# KiCad board Nodes.kicad_pcb
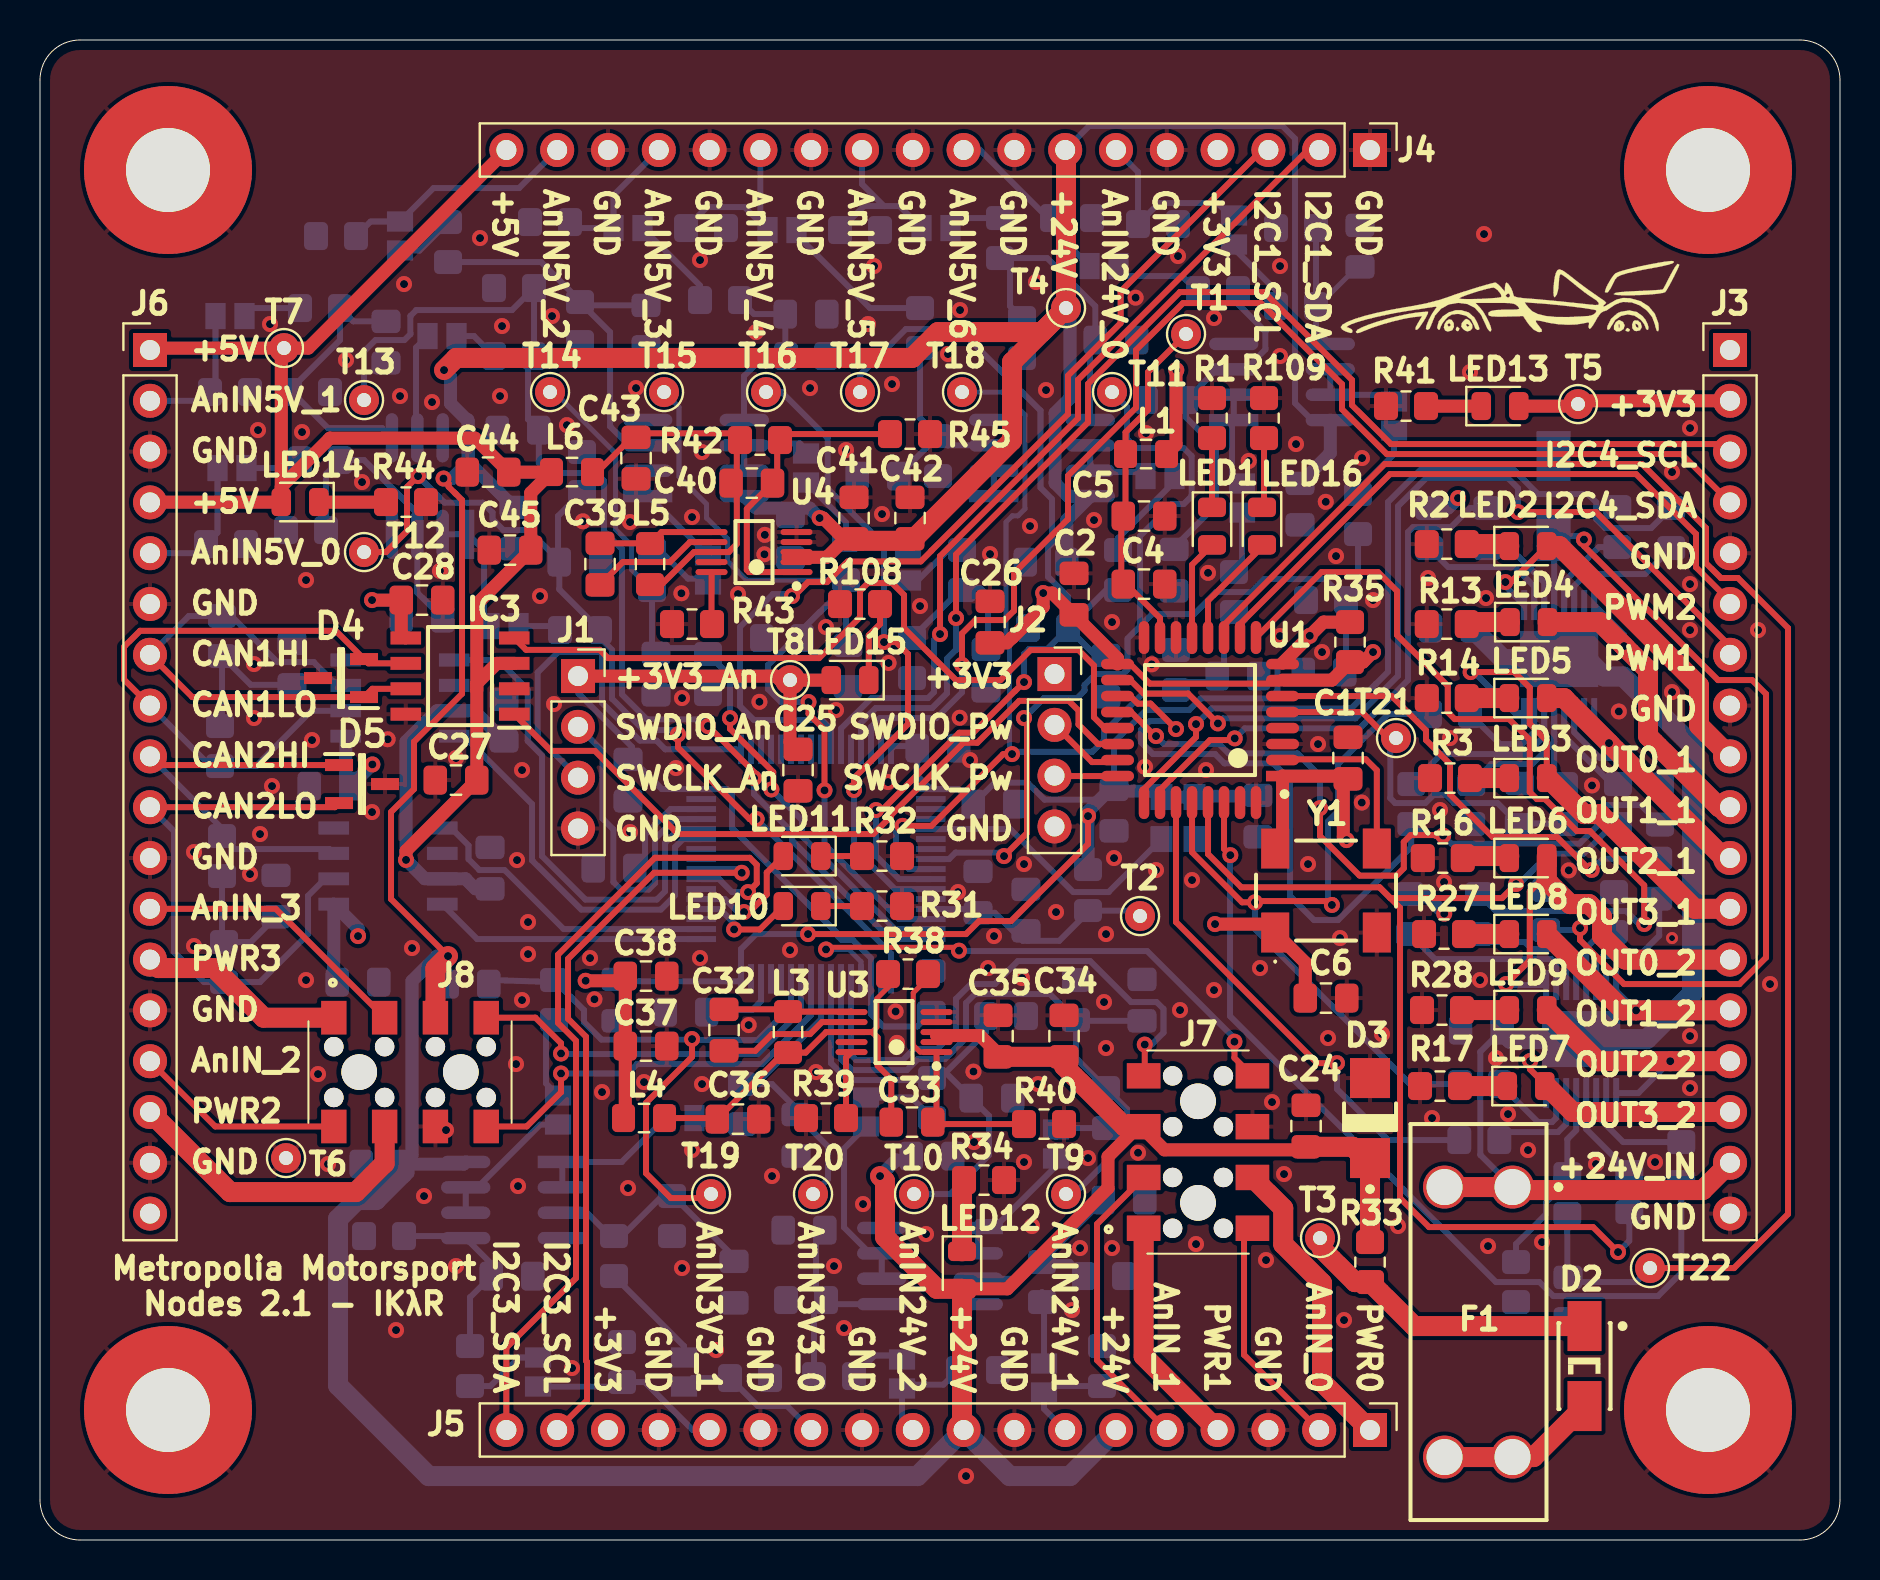
[diagram p0: board, top side]
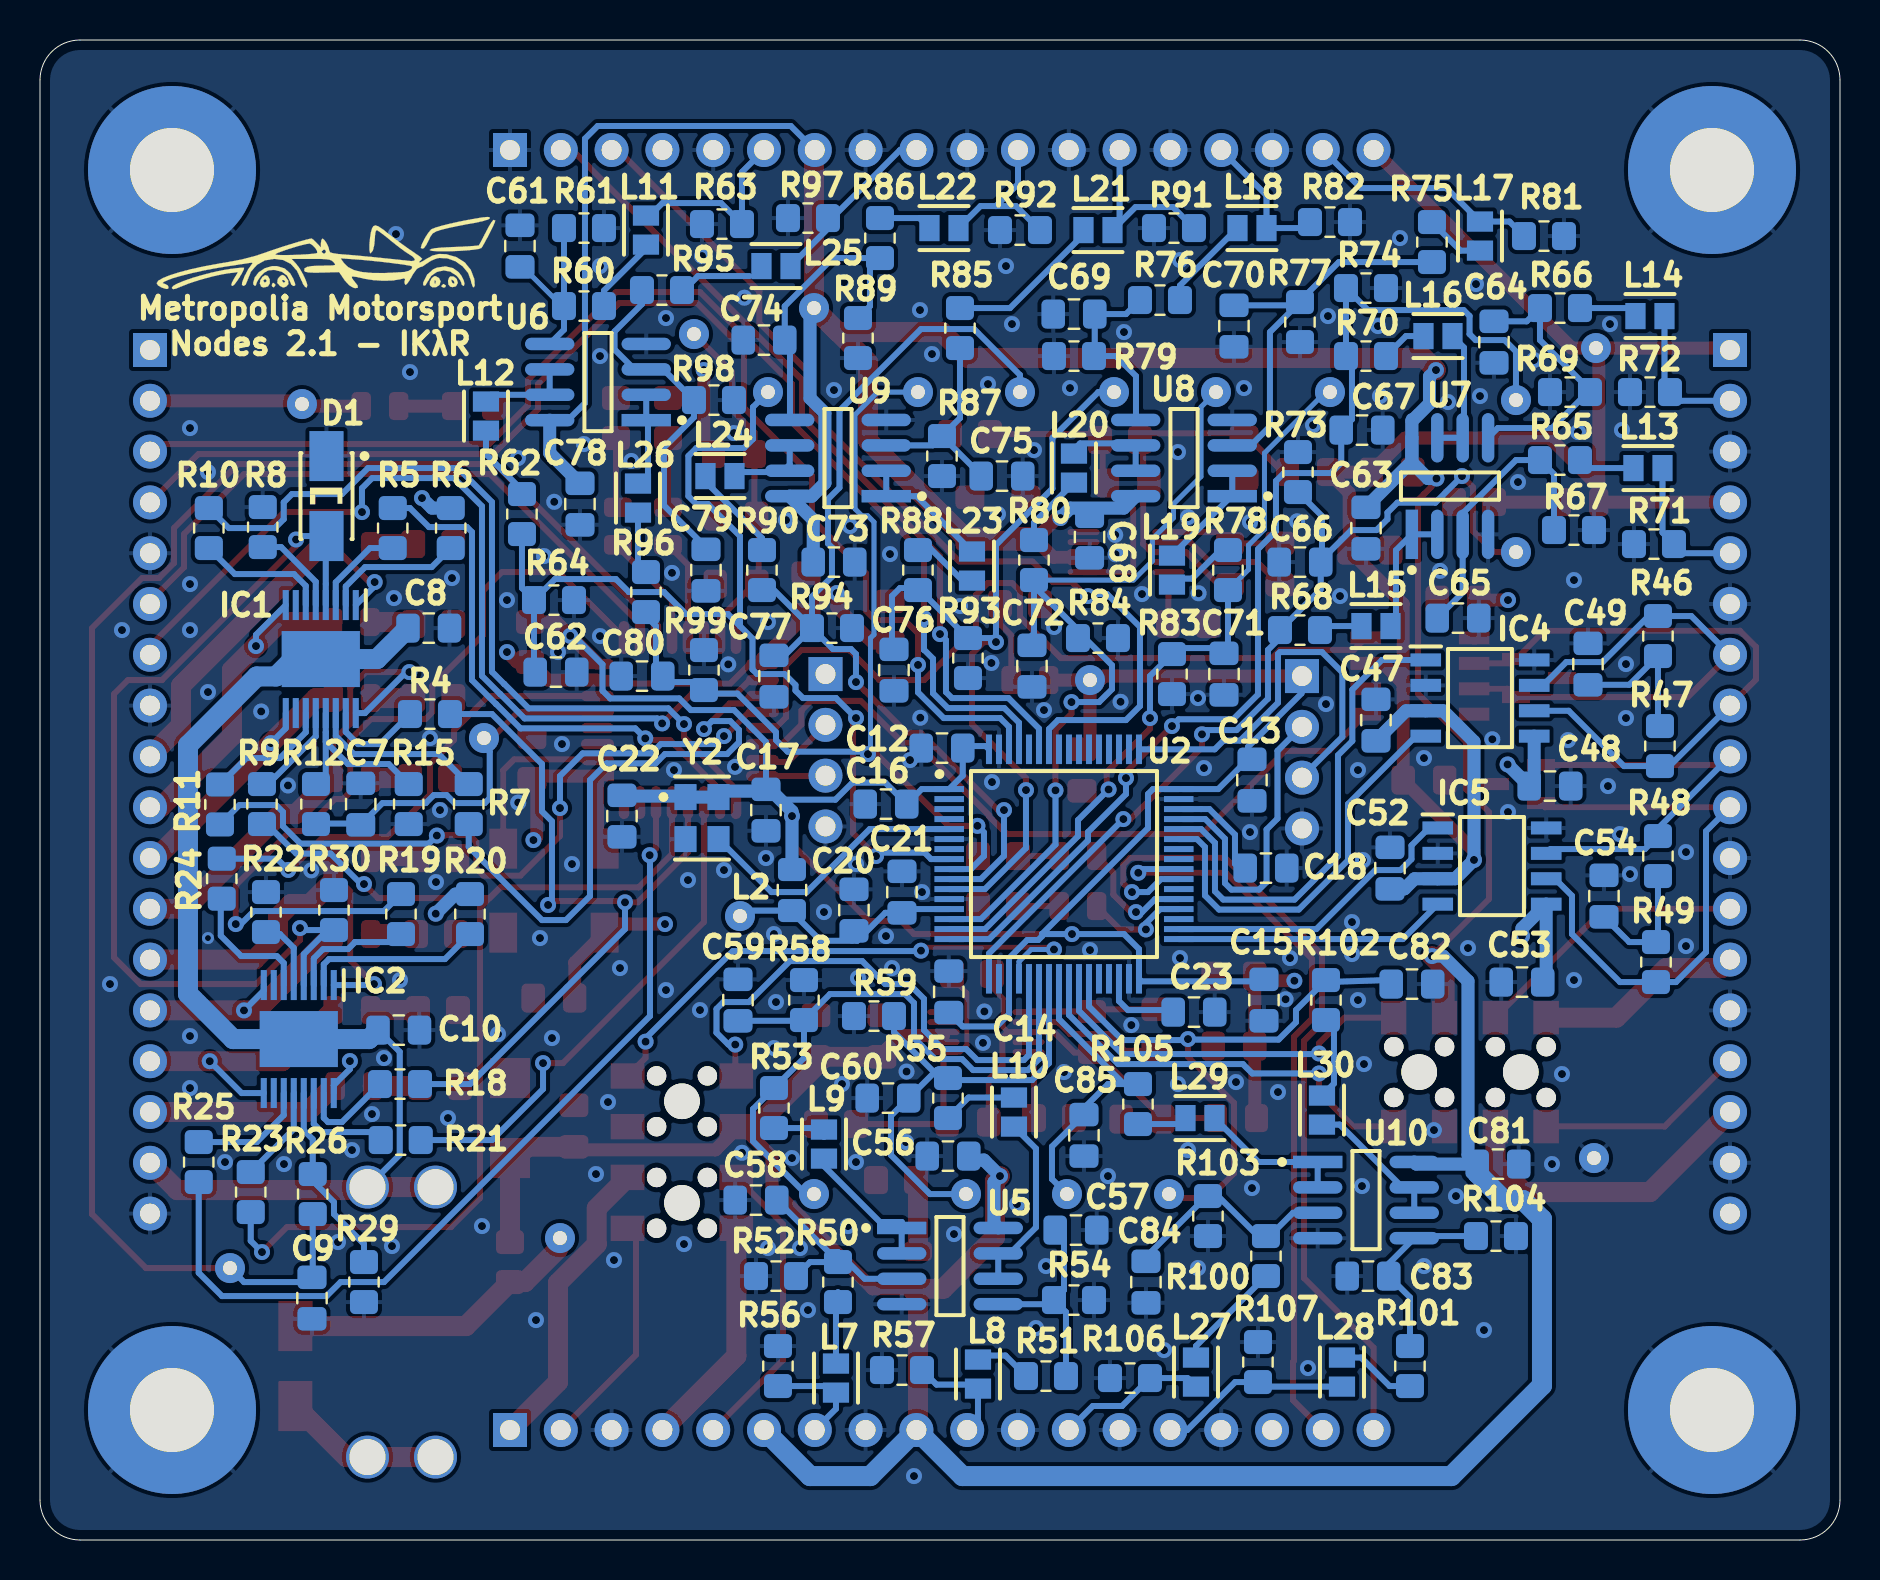
[diagram p1: board, bottom side, seen from below]

Outline 90 x 75 mm; copper layers: Top, In1.Cu (plane), In2.Cu (plane), Bottom. Coordinates in mm from the lower left corner of the outline.
Outline path: 0,73 arc(0.59,74.41) 2,75 88,75 arc(89.41,74.41) 90,73 90,2 arc(89.41,0.59) 88,0 2,0 arc(0.59,0.59) 0,2 0,73
Stack: Top 0.035mm / dielectric 0.1mm FR4 er 4.5 / In1.Cu 0.035mm / dielectric 1.201mm FR4 er 4.5 / In2.Cu 0.035mm / dielectric 0.1mm FR4 er 4.5 / Bottom 0.035mm

## Placement (name value [footprint] x y rotation side)
C1  08055C104KAT4A  [C_0805_2012Metric_Pad1.18x1.45mm_HandSolder]  65.4 39.1 90 top
C2  08055C104KAT4A  [C_0805_2012Metric_Pad1.18x1.45mm_HandSolder]  51.7 47.3 90 top
C4  C0805C103KARACAUTO  [C_0805_2012Metric_Pad1.18x1.45mm_HandSolder]  55.2 47.8 0 top
C5  08053C105KAZ2A  [C_0805_2012Metric_Pad1.18x1.45mm_HandSolder]  55.2 51.2 0 top
C6  08055C104KAT4A  [C_0805_2012Metric_Pad1.18x1.45mm_HandSolder]  64.3 27.1 0 top
C7  08055C104KAT4A  [C_0805_2012Metric_Pad1.18x1.45mm_HandSolder]  73.96 36.8 90 bottom
C8  08055C104KAT4A  [C_0805_2012Metric_Pad1.18x1.45mm_HandSolder]  70.56 45.6 180 bottom
C9  08055C104KAT4A  [C_0805_2012Metric_Pad1.18x1.45mm_HandSolder]  76.4 12.1 270 bottom
C10  08055C104KAT4A  [C_0805_2012Metric_Pad1.18x1.45mm_HandSolder]  72.06 25.5 180 bottom
C12  08055C104KAT4A  [C_0805_2012Metric_Pad1.18x1.45mm_HandSolder]  44.9 39.6 0 bottom
C13  08055C104KAT4A  [C_0805_2012Metric_Pad1.18x1.45mm_HandSolder]  29.4 38 270 bottom
C14  08055C104KAT4A  [C_0805_2012Metric_Pad1.18x1.45mm_HandSolder]  44.56 27.41 90 bottom
C15  08055C104KAT4A  [C_0805_2012Metric_Pad1.18x1.45mm_HandSolder]  28.8 27 270 bottom
C16  08053C105KAZ2A  [C_0805_2012Metric_Pad1.18x1.45mm_HandSolder]  47.7 36.8 0 bottom
C17  08055C104KAT4A  [C_0805_2012Metric_Pad1.18x1.45mm_HandSolder]  53.7 36.5 270 bottom
C18  GCJ21BR71E225KA01L  [C_0805_2012Metric_Pad1.18x1.45mm_HandSolder]  28.7 33.6 180 bottom
C20  08055C104KAT4A  [C_0805_2012Metric_Pad1.18x1.45mm_HandSolder]  49.3 31.5 90 bottom
C21  08053C105KAZ2A  [C_0805_2012Metric_Pad1.18x1.45mm_HandSolder]  46.9 32.4 90 bottom
C22  C0805C103KARACAUTO  [C_0805_2012Metric_Pad1.18x1.45mm_HandSolder]  60.9 36.2 270 bottom
C23  GCJ21BR71E225KA01L  [C_0805_2012Metric_Pad1.18x1.45mm_HandSolder]  32.3 26.4 180 bottom
C24  GRM21BZ71H475KE15L  [C_0805_2012Metric_Pad1.18x1.45mm_HandSolder]  63.3 20.7 90 top
C25  08055C104KAT4A  [C_0805_2012Metric_Pad1.18x1.45mm_HandSolder]  37.9 38.5 270 top
C26  08055C104KAT4A  [C_0805_2012Metric_Pad1.18x1.45mm_HandSolder]  47.5 45.9 90 top
C27  08055C104KAT4A  [C_0805_2012Metric_Pad1.18x1.45mm_HandSolder]  20.8 38 180 top
C28  08055C104KAT4A  [C_0805_2012Metric_Pad1.18x1.45mm_HandSolder]  19.1 47 0 top
C32  AC0805KRX7R8BB224  [C_0805_2012Metric_Pad1.18x1.45mm_HandSolder]  34.2 25.5 90 top
C33  C0805C220K3GACTU  [C_0805_2012Metric_Pad1.18x1.45mm_HandSolder]  43.6 20.9 0 top
C34  GRM21BZ71H475KE15L  [C_0805_2012Metric_Pad1.18x1.45mm_HandSolder]  51.2 25.2 90 top
C35  GCJ21BR71E225KA01L  [C_0805_2012Metric_Pad1.18x1.45mm_HandSolder]  47.9 25.2 90 top
C36  GRM21BR61E226ME44L  [C_0805_2012Metric_Pad1.18x1.45mm_HandSolder]  34.9 21.05 0 top
C37  GCJ21BR71E225KA01L  [C_0805_2012Metric_Pad1.18x1.45mm_HandSolder]  30.3 24.7 0 top
C38  GRM21BR61E226ME44L  [C_0805_2012Metric_Pad1.18x1.45mm_HandSolder]  30.3 28.2 0 top
C39  AC0805KRX7R8BB224  [C_0805_2012Metric_Pad1.18x1.45mm_HandSolder]  28 48.8 90 top
C40  C0805C220K3GACTU  [C_0805_2012Metric_Pad1.18x1.45mm_HandSolder]  35.59 52.85 0 top
C41  GRM21BZ71H475KE15L  [C_0805_2012Metric_Pad1.18x1.45mm_HandSolder]  40.7 51.1 90 top
C42  GCJ21BR71E225KA01L  [C_0805_2012Metric_Pad1.18x1.45mm_HandSolder]  43.5 51.1 90 top
C43  GRM21BR61E226ME44L  [C_0805_2012Metric_Pad1.18x1.45mm_HandSolder]  29.8 54.1 270 top
C44  GCJ21BR71E225KA01L  [C_0805_2012Metric_Pad1.18x1.45mm_HandSolder]  22.4 53.4 180 top
C45  GRM21BR61E226ME44L  [C_0805_2012Metric_Pad1.18x1.45mm_HandSolder]  23.5 49.5 180 top
C47  08055C104KAT4A  [C_0805_2012Metric_Pad1.18x1.45mm_HandSolder]  23.2 41 90 bottom
C48  08055C104KAT4A  [C_0805_2012Metric_Pad1.18x1.45mm_HandSolder]  14.5 37.7 180 bottom
C49  AC0805KRX7RBBB472  [C_0805_2012Metric_Pad1.18x1.45mm_HandSolder]  12.6 43.8 90 bottom
C52  08055C104KAT4A  [C_0805_2012Metric_Pad1.18x1.45mm_HandSolder]  22.5 33.6 90 bottom
C53  08055C104KAT4A  [C_0805_2012Metric_Pad1.18x1.45mm_HandSolder]  15.9 27.9 0 bottom
C54  AC0805KRX7RBBB472  [C_0805_2012Metric_Pad1.18x1.45mm_HandSolder]  11.8 32.2 90 bottom
C56  08055C104KAT4A  [C_0805_2012Metric_Pad1.18x1.45mm_HandSolder]  44.6 19.2 0 bottom
C57  C0805C103KARACAUTO  [C_0805_2012Metric_Pad1.18x1.45mm_HandSolder]  38.2 15.5 180 bottom
C58  C0805C103KARACAUTO  [C_0805_2012Metric_Pad1.18x1.45mm_HandSolder]  54.2 17 0 bottom
C59  C0805C103KARACAUTO  [C_0805_2012Metric_Pad1.18x1.45mm_HandSolder]  55.1 27 90 bottom
C60  C0805C103KARACAUTO  [C_0805_2012Metric_Pad1.18x1.45mm_HandSolder]  47.6 22.1 0 bottom
C61  C0805C103KARACAUTO  [C_0805_2012Metric_Pad1.18x1.45mm_HandSolder]  66 64.7 90 bottom
C62  C0805C103KARACAUTO  [C_0805_2012Metric_Pad1.18x1.45mm_HandSolder]  64.2 43.4 180 bottom
C63  08055C104KAT4A  [C_0805_2012Metric_Pad1.18x1.45mm_HandSolder]  23.7 50.6 270 bottom
C64  C0805C103KARACAUTO  [C_0805_2012Metric_Pad1.18x1.45mm_HandSolder]  17.3 59.9 270 bottom
C65  C0805C103KARACAUTO  [C_0805_2012Metric_Pad1.18x1.45mm_HandSolder]  19.1 46.1 180 bottom
C66  C0805C103KARACAUTO  [C_0805_2012Metric_Pad1.18x1.45mm_HandSolder]  27 48.9 0 bottom
C67  C0805C103KARACAUTO  [C_0805_2012Metric_Pad1.18x1.45mm_HandSolder]  23.9 55.5 180 bottom
C68  08055C104KAT4A  [C_0805_2012Metric_Pad1.18x1.45mm_HandSolder]  37.52 50.15 270 bottom
C69  C0805C103KARACAUTO  [C_0805_2012Metric_Pad1.18x1.45mm_HandSolder]  38.3 61.3 0 bottom
C70  C0805C103KARACAUTO  [C_0805_2012Metric_Pad1.18x1.45mm_HandSolder]  30.3 60.7 270 bottom
C71  C0805C103KARACAUTO  [C_0805_2012Metric_Pad1.18x1.45mm_HandSolder]  30.8 43.3 270 bottom
C72  C0805C103KARACAUTO  [C_0805_2012Metric_Pad1.18x1.45mm_HandSolder]  40.4 43.7 270 bottom
C73  08055C104KAT4A  [C_0805_2012Metric_Pad1.18x1.45mm_HandSolder]  50.3 48.9 180 bottom
C74  C0805C103KARACAUTO  [C_0805_2012Metric_Pad1.18x1.45mm_HandSolder]  53.8 60 0 bottom
C75  C0805C103KARACAUTO  [C_0805_2012Metric_Pad1.18x1.45mm_HandSolder]  41.9 53.2 180 bottom
C76  C0805C103KARACAUTO  [C_0805_2012Metric_Pad1.18x1.45mm_HandSolder]  47.3 43.5 270 bottom
C77  C0805C103KARACAUTO  [C_0805_2012Metric_Pad1.18x1.45mm_HandSolder]  53.3 43.2 270 bottom
C78  08055C104KAT4A  [C_0805_2012Metric_Pad1.18x1.45mm_HandSolder]  63 51.8 270 bottom
C79  C0805C103KARACAUTO  [C_0805_2012Metric_Pad1.18x1.45mm_HandSolder]  56.7 48.5 270 bottom
C80  C0805C103KARACAUTO  [C_0805_2012Metric_Pad1.18x1.45mm_HandSolder]  59.9 43.2 0 bottom
C81  08055C104KAT4A  [C_0805_2012Metric_Pad1.18x1.45mm_HandSolder]  17.1 18.8 180 bottom
C82  C0805C103KARACAUTO  [C_0805_2012Metric_Pad1.18x1.45mm_HandSolder]  21.4 27.8 180 bottom
C83  C0805C103KARACAUTO  [C_0805_2012Metric_Pad1.18x1.45mm_HandSolder]  23.6 13.2 0 bottom
C84  C0805C103KARACAUTO  [C_0805_2012Metric_Pad1.18x1.45mm_HandSolder]  34.7 12.9 270 bottom
C85  C0805C103KARACAUTO  [C_0805_2012Metric_Pad1.18x1.45mm_HandSolder]  37.8 20.23 270 bottom
D1  S1M-13-F  [_ProgramData_Altium_Altium Designer {25494732-AE02-4610-B470-3264DC49668C}_VaultsFileCache_56708a516f1d4cf7aeaeed8617c40f77_Released_DIOD-S1M-13-F-SMA-2_V.PcbLib_DIOD-S1M-13-F-SMA-2_V]  75.68 52.2 90 bottom
D2  S1M-13-F  [_ProgramData_Altium_Altium Designer {25494732-AE02-4610-B470-3264DC49668C}_VaultsFileCache_56708a516f1d4cf7aeaeed8617c40f77_Released_DIOD-S1M-13-F-SMA-2_V.PcbLib_DIOD-S1M-13-F-SMA-2_V]  77.23 8.7 90 top
D3  1SMA5934BT3G  [ONSC-SMA-2-403D-02_F_V]  66.5 21.1 90 top
D4  ESDCAN24-2BLY  [SOT95P255X125-3N]  15.05 43.1 180 top
D5  ESDCAN24-2BLY  [SOT95P255X125-3N]  16.1 37.8 0 top
F1  3557-2  [KSTN-3557-2]  71.93 10.9 270 top
G***  LOGO  [formula_logo]  73.5 62.2 0 top
G***#2  LOGO  [formula_logo]  75.7 64.4 180 bottom
IC1  VNQ9080AJTR  [SOP50P600X170-17N]  75.96 44.05 270 bottom
IC2  VNQ9080AJTR  [SOP50P600X170-17N#2]  77.06 25.05 270 bottom
IC3  TCAN1462VDRQ1  [SOIC127P600X175-8N]  21 43.2 180 top
IC4  TCAN1462VDRQ1  [SOIC127P600X175-8N]  18 42.1 180 bottom
IC5  TCAN1462VDRQ1  [SOIC127P600X175-8N]  17.4 33.7 180 bottom
J1  Conn_01x04  [PinSocket_1x04_P2.54mm_Vertical]  26.9 43.2 0 top
J2  Conn_01x04  [PinSocket_1x04_P2.54mm_Vertical]  50.73 43.3 0 top
J3  Conn_01x18  [PinHeader_1x18_P2.54mm_Vertical]  84.5 59.5 0 top
J4  Conn_01x18  [PinHeader_1x18_P2.54mm_Vertical]  66.5 69.5 270 top
J5  Conn_01x18  [PinHeader_1x18_P2.54mm_Vertical]  66.5 5.5 270 top
J6  Conn_01x18  [PinHeader_1x18_P2.54mm_Vertical]  5.5 59.5 0 top
J7  HLE-104-02-L-DV-BE-A-P-TR  [HLE-104-02-XXX-DV-BE-A-P-TR]  57.9 19.4 270 top
J8  HLE-104-02-L-DV-BE-A-P-TR  [HLE-104-02-XXX-DV-BE-A-P-TR]  18.5 23.4 180 top
L1  BDCC00201208R33MWA  [L_0805_2012Metric_Pad1.15x1.40mm_HandSolder]  55.3 54.3 180 top
L2  BDCC00201208R33MWA  [L_0805_2012Metric_Pad1.15x1.40mm_HandSolder]  52.4 32.5 270 bottom
L3  MLZ2012N220LT000  [L_0805_2012Metric_Pad1.15x1.40mm_HandSolder]  37.4 25.4 270 top
L4  BDCC00201208R33MWA  [L_0805_2012Metric_Pad1.15x1.40mm_HandSolder]  30.2 21.1 180 top
L5  MLZ2012N220LT000  [L_0805_2012Metric_Pad1.15x1.40mm_HandSolder]  30.5 48.8 270 top
L6  BDCC00201208R33MWA  [L_0805_2012Metric_Pad1.15x1.40mm_HandSolder]  26.6 53.4 180 top
L7  LQM21PN1R0NGCD  [FP-LQM21PH_G0-IPC_C]  50.2 8.1 90 bottom
L8  LQM21PN1R0NGCD  [FP-LQM21PH_G0-IPC_C]  43.1 8.3 90 bottom
L9  LQM21PN1R0NGCD  [FP-LQM21PH_G0-IPC_C]  50.8 19.8 90 bottom
L10  LQM21PN1R0NGCD  [FP-LQM21PH_G0-IPC_C]  41.3 21.4 90 bottom
L11  LQM21PN1R0NGCD  [FP-LQM21PH_G0-IPC_C]  59.7 65.5 270 bottom
L12  LQM21PN1R0NGCD  [FP-LQM21PH_G0-IPC_C]  67.7 56.2 270 bottom
L13  LQM21PN1R0NGCD  [FP-LQM21PH_G0-IPC_C]  9.6 53.6 0 bottom
L14  LQM21PN1R0NGCD  [FP-LQM21PH_G0-IPC_C]  9.5 61.2 0 bottom
L15  LQM21PN1R0NGCD  [FP-LQM21PH_G0-IPC_C]  23.2 45.7 0 bottom
L16  LQM21PN1R0NGCD  [FP-LQM21PH_G0-IPC_C]  20.1 60.2 0 bottom
L17  LQM21PN1R0NGCD  [FP-LQM21PH_G0-IPC_C]  18 65.2 270 bottom
L18  LQM21PN1R0NGCD  [FP-LQM21PH_G0-IPC_C]  29.4 65.6 0 bottom
L19  LQM21PN1R0NGCD  [FP-LQM21PH_G0-IPC_C]  33.4 48.5 270 bottom
L20  LQM21PN1R0NGCD  [FP-LQM21PH_G0-IPC_C]  38.3 53.6 270 bottom
L21  LQM21PN1R0NGCD  [FP-LQM21PH_G0-IPC_C]  37.1 65.5 0 bottom
L22  LQM21PN1R0NGCD  [FP-LQM21PH_G0-IPC_C]  44.8 65.6 0 bottom
L23  LQM21PN1R0NGCD  [FP-LQM21PH_G0-IPC_C]  43.4 48.7 270 bottom
L24  LQM21PN1R0NGCD  [FP-LQM21PH_G0-IPC_C]  56 53.2 0 bottom
L25  LQM21PN1R0NGCD  [FP-LQM21PH_G0-IPC_C]  53.2 63.7 0 bottom
L26  LQM21PN1R0NGCD  [FP-LQM21PH_G0-IPC_C]  60.1 52.1 270 bottom
L27  LQM21PN1R0NGCD  [FP-LQM21PH_G0-IPC_C]  32.2 8.4 90 bottom
L28  LQM21PN1R0NGCD  [FP-LQM21PH_G0-IPC_C]  24.9 8.4 90 bottom
L29  LQM21PN1R0NGCD  [FP-LQM21PH_G0-IPC_C]  32 21.1 0 bottom
L30  LQM21PN1R0NGCD  [FP-LQM21PH_G0-IPC_C]  25.9 21.5 90 bottom
LED1  SML-210VTT86  [LED_0805_2012Metric]  58.6 50.7 270 top
LED2  SML-H12D8TT86  [LED_0805_2012Metric]  74.4 49.7 0 top
LED3  -  [LED_0805_2012Metric]  74.4 38.1 0 top
LED4  SML-210YTT86M  [LED_0805_2012Metric]  74.44 45.9 0 top
LED5  SML-H12P8TT86  [LED_0805_2012Metric]  74.4 42.1 0 top
LED6  SML-H12D8TT86  [LED_0805_2012Metric]  74.4 34.1 0 top
LED7  -  [LED_0805_2012Metric]  74.3 22.7 0 top
LED8  SML-210YTT86M  [LED_0805_2012Metric]  74.4 30.3 0 top
LED9  SML-H12P8TT86  [LED_0805_2012Metric]  74.4 26.5 0 top
LED10  SML-210VTT86  [LED_0805_2012Metric]  38.1 31.7 180 top
LED11  SML-210VTT86  [LED_0805_2012Metric]  38.1 34.2 180 top
LED12  SMLMN2WB1CW1  [LED_0805_2012Metric]  46.1 13.5 270 top
LED13  SML-210YTT86M  [LED_0805_2012Metric]  73 56.7 0 top
LED14  SML-H12P8TT86  [LED_0805_2012Metric]  13 51.9 180 top
LED15  -  [LED_0805_2012Metric]  40.5 43 180 top
LED16  SML-210VTT86  [LED_0805_2012Metric]  61.1 50.7 270 top
NOREF  -  [unnamed]  6.4 6.5 0 top
NOREF#2  -  [unnamed]  6.4 68.5 0 top
NOREF#3  -  [unnamed]  83.4 68.5 0 top
NOREF#4  -  [unnamed]  83.4 6.5 0 top
R1  ESR10EZPJ301  [R_0805_2012Metric_Pad1.20x1.40mm_HandSolder]  58.6 56.1 90 top
R2  AC0805FR-075K49L  [R_0805_2012Metric_Pad1.20x1.40mm_HandSolder]  70.34 49.8 0 top
R3  AC0805FR-075K49L  [R_0805_2012Metric_Pad1.20x1.40mm_HandSolder]  70.5 38.1 180 top
R4  RT0805CRE0715KL  [R_0805_2012Metric_Pad1.20x1.40mm_HandSolder]  70.5 41.3 180 bottom
R5  RT0805CRE0715KL  [R_0805_2012Metric_Pad1.20x1.40mm_HandSolder]  72.36 50.6 270 bottom
R6  CR0805-FX-2201ELF  [R_0805_2012Metric_Pad1.20x1.40mm_HandSolder]  69.46 50.6 270 bottom
R7  RT0805CRE0715KL  [R_0805_2012Metric_Pad1.20x1.40mm_HandSolder]  68.56 36.8 270 bottom
R8  RT0805CRE0715KL  [R_0805_2012Metric_Pad1.20x1.40mm_HandSolder]  78.86 50.65 270 bottom
R9  RT0805CRE0715KL  [R_0805_2012Metric_Pad1.20x1.40mm_HandSolder]  78.9 36.8 270 bottom
R10  RT0805CRE0715KL  [R_0805_2012Metric_Pad1.20x1.40mm_HandSolder]  81.56 50.6 270 bottom
R11  RT0805CRE0715KL  [R_0805_2012Metric_Pad1.20x1.40mm_HandSolder]  81 36.78 270 bottom
R12  RT0805CRE0715KL  [R_0805_2012Metric_Pad1.20x1.40mm_HandSolder]  76.2 36.8 270 bottom
R13  AC0805FR-075K49L  [R_0805_2012Metric_Pad1.20x1.40mm_HandSolder]  70.34 45.8 0 top
R14  AC0805FR-075K49L  [R_0805_2012Metric_Pad1.20x1.40mm_HandSolder]  70.34 42.1 180 top
R15  ESR10EZPJ102  [R_0805_2012Metric_Pad1.20x1.40mm_HandSolder]  71.56 36.8 270 bottom
R16  AC0805FR-075K49L  [R_0805_2012Metric_Pad1.20x1.40mm_HandSolder]  70.14 34.1 180 top
R17  AC0805FR-075K49L  [R_0805_2012Metric_Pad1.20x1.40mm_HandSolder]  70 22.7 180 top
R18  RT0805CRE0715KL  [R_0805_2012Metric_Pad1.20x1.40mm_HandSolder]  72 22.8 180 bottom
R19  RT0805CRE0715KL  [R_0805_2012Metric_Pad1.20x1.40mm_HandSolder]  71.95 31.3 270 bottom
R20  CR0805-FX-2201ELF  [R_0805_2012Metric_Pad1.20x1.40mm_HandSolder]  68.5 31.3 270 bottom
R21  RT0805CRE0715KL  [R_0805_2012Metric_Pad1.20x1.40mm_HandSolder]  71.96 20 180 bottom
R22  RT0805CRE0715KL  [R_0805_2012Metric_Pad1.20x1.40mm_HandSolder]  78.7 31.4 270 bottom
R23  RT0805CRE0715KL  [R_0805_2012Metric_Pad1.20x1.40mm_HandSolder]  79.46 17.4 270 bottom
R24  RT0805CRE0715KL  [R_0805_2012Metric_Pad1.20x1.40mm_HandSolder]  80.91 33.07 270 bottom
R25  RT0805CRE0715KL  [R_0805_2012Metric_Pad1.20x1.40mm_HandSolder]  82.06 18.9 270 bottom
R26  RT0805CRE0715KL  [R_0805_2012Metric_Pad1.20x1.40mm_HandSolder]  76.36 17.3 270 bottom
R27  AC0805FR-075K49L  [R_0805_2012Metric_Pad1.20x1.40mm_HandSolder]  70.2 30.3 0 top
R28  AC0805FR-075K49L  [R_0805_2012Metric_Pad1.20x1.40mm_HandSolder]  70.1 26.5 180 top
R29  ESR10EZPJ102  [R_0805_2012Metric_Pad1.20x1.40mm_HandSolder]  73.8 12.9 270 bottom
R30  RT0805DRE074K7L  [R_0805_2012Metric_Pad1.20x1.40mm_HandSolder]  75.3 31.5 90 bottom
R31  ESR10EZPJ301  [R_0805_2012Metric_Pad1.20x1.40mm_HandSolder]  42.1 31.7 0 top
R32  ESR10EZPJ301  [R_0805_2012Metric_Pad1.20x1.40mm_HandSolder]  42.1 34.2 0 top
R33  WSL0805R0100FEA18  [R_0805_2012Metric_Pad1.20x1.40mm_HandSolder]  66.5 13.9 90 top
R34  AC0805FR-075K49L  [R_0805_2012Metric_Pad1.20x1.40mm_HandSolder]  47.2 18 0 top
R35  WSL0805R0100FEA18  [R_0805_2012Metric_Pad1.20x1.40mm_HandSolder]  65.5 44.9 90 top
R38  TNPW08051M00BEEN  [R_0805_2012Metric_Pad1.20x1.40mm_HandSolder]  43.4 28.3 0 top
R39  RT0805BRD07226KL  [R_0805_2012Metric_Pad1.20x1.40mm_HandSolder]  39.3 21.1 180 top
R40  ERJ-6ENF5763V  [R_0805_2012Metric_Pad1.20x1.40mm_HandSolder]  50.2 20.8 0 top
R41  ESR10EZPJ301  [R_0805_2012Metric_Pad1.20x1.40mm_HandSolder]  68.3 56.7 180 top
R42  TNPW08051M00BEEN  [R_0805_2012Metric_Pad1.20x1.40mm_HandSolder]  36 55 0 top
R43  RT0805BRD07226KL  [R_0805_2012Metric_Pad1.20x1.40mm_HandSolder]  32.6 45.8 180 top
R44  1kR  [R_0805_2012Metric_Pad1.20x1.40mm_HandSolder]  18.3 51.9 0 top
R45  PCF0805R-316KBT1  [R_0805_2012Metric_Pad1.20x1.40mm_HandSolder]  43.5 55.3 0 top
R46  ERJ-6ENF60R4V  [R_0805_2012Metric_Pad1.20x1.40mm_HandSolder]  9.1 45.2 270 bottom
R47  ERJ-6ENF60R4V  [R_0805_2012Metric_Pad1.20x1.40mm_HandSolder]  9 39.7 270 bottom
R48  ERJ-6ENF60R4V  [R_0805_2012Metric_Pad1.20x1.40mm_HandSolder]  9.1 34.2 270 bottom
R49  ERJ-6ENF60R4V  [R_0805_2012Metric_Pad1.20x1.40mm_HandSolder]  9.2 28.9 270 bottom
R50  CRCW08050000ZSTA  [R_0805_2012Metric_Pad1.20x1.40mm_HandSolder]  50.1 12.9 90 bottom
R51  CRCW08050000ZSTA  [R_0805_2012Metric_Pad1.20x1.40mm_HandSolder]  39.7 8.2 180 bottom
R52  CRCW0805680RFKEA  [R_0805_2012Metric_Pad1.20x1.40mm_HandSolder]  53.2 13.2 0 bottom
R53  ERJ-6ENF2102V  [R_0805_2012Metric_Pad1.20x1.40mm_HandSolder]  53.3 21.6 90 bottom
R54  CRCW0805680RFKEA  [R_0805_2012Metric_Pad1.20x1.40mm_HandSolder]  38.3 12 180 bottom
R55  ERJ-6ENF2102V  [R_0805_2012Metric_Pad1.20x1.40mm_HandSolder]  44.6 22.1 90 bottom
R56  CRCW080510M0FKEA  [R_0805_2012Metric_Pad1.20x1.40mm_HandSolder]  53.1 8.7 90 bottom
R57  CRCW080510M0FKEA  [R_0805_2012Metric_Pad1.20x1.40mm_HandSolder]  46.9 8.5 0 bottom
R58  ERJ-6ENF3241V  [R_0805_2012Metric_Pad1.20x1.40mm_HandSolder]  51.8 27 90 bottom
R59  ERJ-6ENF3241V  [R_0805_2012Metric_Pad1.20x1.40mm_HandSolder]  48.3 26.2 0 bottom
R60  CRCW08050000ZSTA  [R_0805_2012Metric_Pad1.20x1.40mm_HandSolder]  62.8 61.7 0 bottom
R61  CRCW0805680RFKEA  [R_0805_2012Metric_Pad1.20x1.40mm_HandSolder]  62.8 65.6 180 bottom
R62  ERJ-6ENF2102V  [R_0805_2012Metric_Pad1.20x1.40mm_HandSolder]  65.9 51.3 270 bottom
R63  CRCW080510M0FKEA  [R_0805_2012Metric_Pad1.20x1.40mm_HandSolder]  55.9 65.8 0 bottom
R64  ERJ-6ENF3241V  [R_0805_2012Metric_Pad1.20x1.40mm_HandSolder]  64.3 47 180 bottom
R65  CRCW08050000ZSTA  [R_0805_2012Metric_Pad1.20x1.40mm_HandSolder]  14 54 0 bottom
R66  CRCW08050000ZSTA  [R_0805_2012Metric_Pad1.20x1.40mm_HandSolder]  14 61.6 0 bottom
R67  CRCW0805680RFKEA  [R_0805_2012Metric_Pad1.20x1.40mm_HandSolder]  13.3 50.5 180 bottom
R68  ERJ-6ENF1741V  [R_0805_2012Metric_Pad1.20x1.40mm_HandSolder]  27 45.5 0 bottom
R69  CRCW0805680RFKEA  [R_0805_2012Metric_Pad1.20x1.40mm_HandSolder]  13.5 57.4 0 bottom
R70  ERJ-6ENF1741V  [R_0805_2012Metric_Pad1.20x1.40mm_HandSolder]  23.7 59.2 0 bottom
R71  CRCW080510M0FKEA  [R_0805_2012Metric_Pad1.20x1.40mm_HandSolder]  9.3 49.8 0 bottom
R72  CRCW080510M0FKEA  [R_0805_2012Metric_Pad1.20x1.40mm_HandSolder]  9.5 57.4 0 bottom
R73  ERJ-6ENF3241V  [R_0805_2012Metric_Pad1.20x1.40mm_HandSolder]  27.1 53.4 90 bottom
R74  ERJ-6ENF3241V  [R_0805_2012Metric_Pad1.20x1.40mm_HandSolder]  23.7 62.6 180 bottom
R75  CRCW08050000ZSTA  [R_0805_2012Metric_Pad1.20x1.40mm_HandSolder]  20.4 64.9 270 bottom
R76  CRCW08050000ZSTA  [R_0805_2012Metric_Pad1.20x1.40mm_HandSolder]  34 62 0 bottom
R77  CRCW0805680RFKEA  [R_0805_2012Metric_Pad1.20x1.40mm_HandSolder]  27 60.9 270 bottom
R78  ERJ-6ENF1741V  [R_0805_2012Metric_Pad1.20x1.40mm_HandSolder]  30.6 48.5 270 bottom
R79  CRCW0805680RFKEA  [R_0805_2012Metric_Pad1.20x1.40mm_HandSolder]  38.3 59.2 0 bottom
R80  ERJ-6ENF1741V  [R_0805_2012Metric_Pad1.20x1.40mm_HandSolder]  40.3 49 270 bottom
R81  CRCW080510M0FKEA  [R_0805_2012Metric_Pad1.20x1.40mm_HandSolder]  14.8 65.2 180 bottom
R82  CRCW080510M0FKEA  [R_0805_2012Metric_Pad1.20x1.40mm_HandSolder]  25.5 65.9 180 bottom
R83  ERJ-6ENF3241V  [R_0805_2012Metric_Pad1.20x1.40mm_HandSolder]  33.4 43.3 270 bottom
R84  ERJ-6ENF3241V  [R_0805_2012Metric_Pad1.20x1.40mm_HandSolder]  37.1 45.1 180 bottom
R85  CRCW08050000ZSTA  [R_0805_2012Metric_Pad1.20x1.40mm_HandSolder]  44 60.6 270 bottom